# Altium PCB Temp_meter_16CH.PcbDoc (part 4 of 4) (continued)
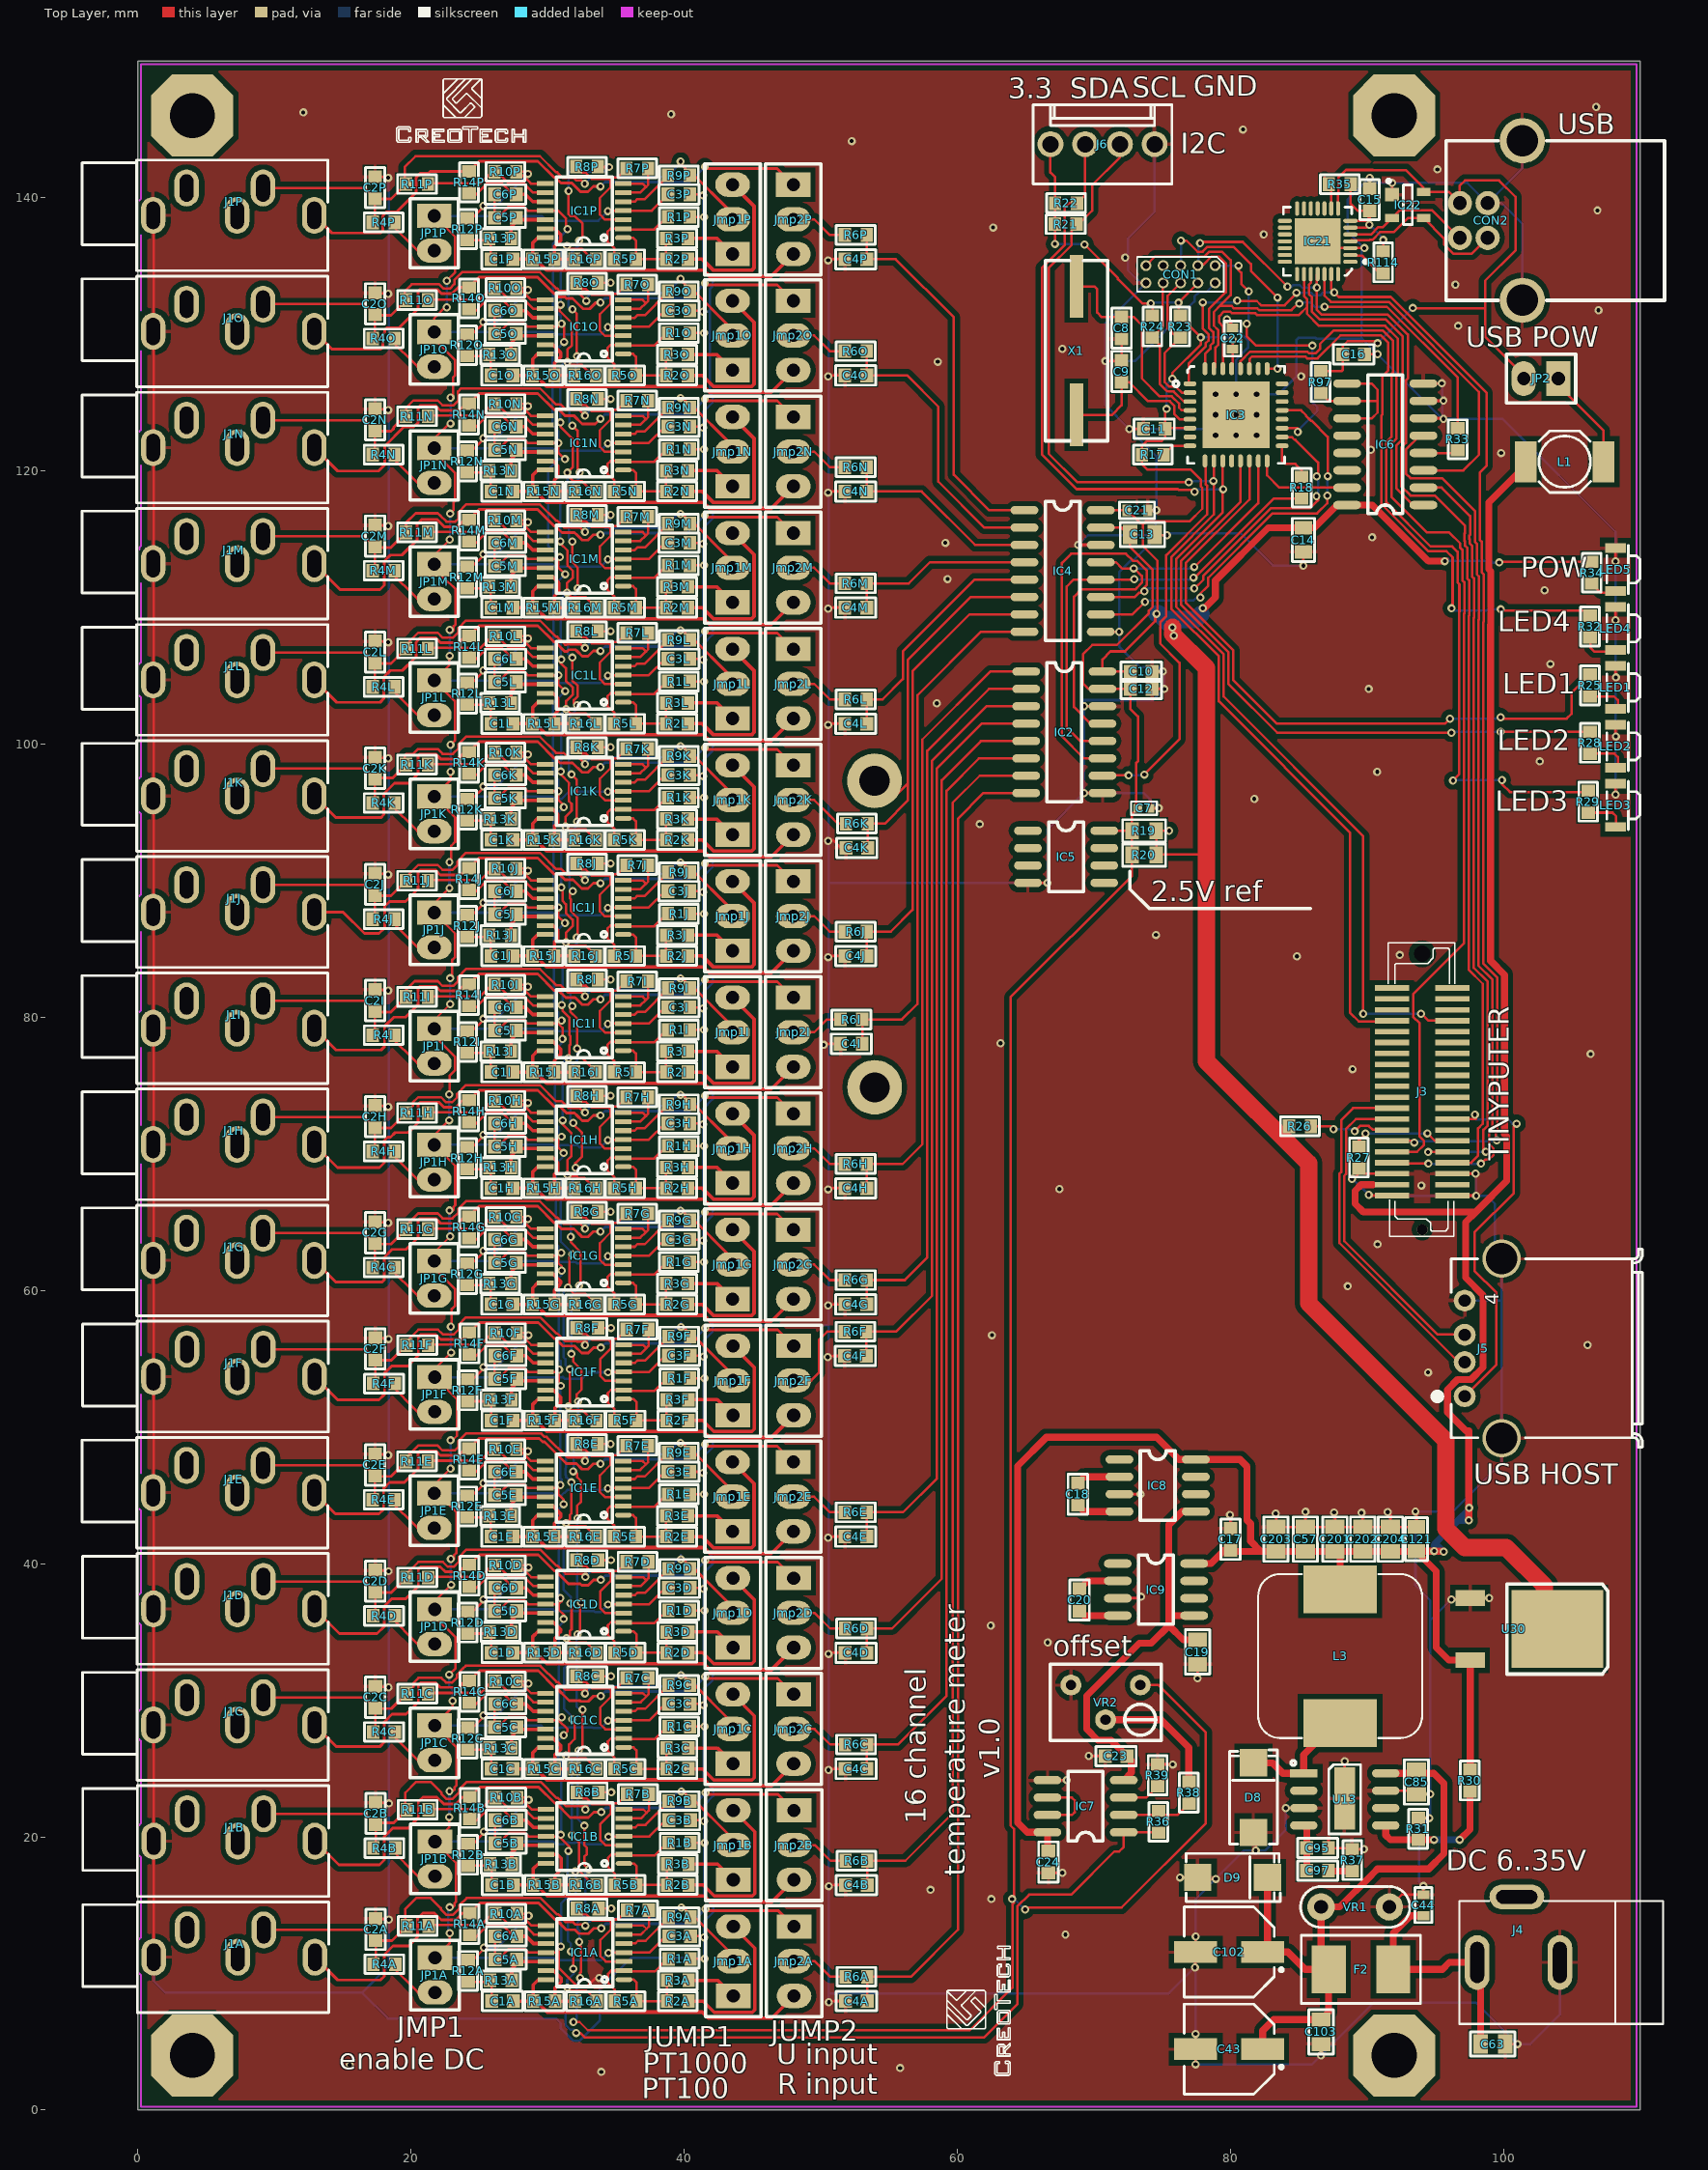
[diagram p0: Top Layer view]
## Nets (pads, with @x,y where several pads share a name; then routed paths per layer and width w, separated by ;. In a path a pad name is that pad's centre, name@x,y a point inside that pad or via, vN(x,y) a via of type N, cw(c..) or ccw(c..) an arc to the next point about the centre after c; other vN are vias at no path point) (continued)
  Top Layer w0.178: Jmp2A.2@48.05,10.899 49.578,10.899 50.721,9.756 R6A.2@51.822,9.756
NetJmp2B_2: Jmp2B.2 R6B.2 | length 4.2
  Top Layer w0.178: Jmp2B.2@48.05,19.399 49.578,19.399 50.721,18.256 R6B.2@51.822,18.256
NetJmp2C_2: Jmp2C.2 R6C.2 | length 4.2
  Top Layer w0.178: Jmp2C.2@48.025,27.899 49.553,27.899 50.696,26.756 R6C.2@51.797,26.756
NetJmp2D_2: Jmp2D.2 R6D.2 | length 4.2
  Top Layer w0.178: Jmp2D.2@48.025,36.399 49.553,36.399 50.696,35.256 R6D.2@51.797,35.256
NetJmp2E_2: Jmp2E.2 R6E.2 | length 4.2
  Top Layer w0.178: Jmp2E.2@48,44.899 49.528,44.899 50.671,43.756 R6E.2@51.772,43.756
NetJmp2F_2: Jmp2F.2 R6F.2 | length 7.7
  Top Layer w0.178: Jmp2F.2@48.025,53.399 49.3,53.399 49.875,53.974 49.875,56.375 50.481,56.981 R6F.2@51.747,56.981 50.646,56.981
NetJmp2G_2: Jmp2G.2 R6G.2 | length 4.2
  Top Layer w0.178: Jmp2G.2@48,61.899 49.528,61.899 50.671,60.756 R6G.2@51.772,60.756
NetJmp2H_2: Jmp2H.2 R6H.2 | length 4.2
  Top Layer w0.178: Jmp2H.2@48,70.399 49.528,70.399 50.671,69.256 R6H.2@51.772,69.256
NetJmp2I_2: Jmp2I.2 R6I.2 | length 3.8
  Top Layer w0.178: Jmp2I.2@48,78.899 49.528,78.899 50.46,79.831 R6I.2@51.447,79.831
NetJmp2J_2: Jmp2J.2 R6J.2 | length 4.2
  Top Layer w0.178: Jmp2J.2@48,87.399 49.528,87.399 50.671,86.256 R6J.2@51.772,86.256
NetJmp2K_2: Jmp2K.2 R6K.2 | length 4.6
  Top Layer w0.178: Jmp2K.2@48,95.899 49.528,95.899 50.671,94.756 51.259,94.168 R6K.2@51.854,94.168
NetJmp2L_2: Jmp2L.2 R6L.2 | length 4.2
  Top Layer w0.178: Jmp2L.2@48,104.399 49.528,104.399 50.671,103.256 R6L.2@51.772,103.256
NetJmp2M_2: Jmp2M.2 R6M.2 | length 4.2
  Top Layer w0.178: Jmp2M.2@48,112.899 49.528,112.899 50.671,111.756 R6M.2@51.772,111.756
NetJmp2N_2: Jmp2N.2 R6N.2 | length 4.2
  Top Layer w0.178: Jmp2N.2@48,121.399 49.528,121.399 50.671,120.256 R6N.2@51.772,120.256
NetJmp2O_2: Jmp2O.2 R6O.2 | length 4.2
  Top Layer w0.178: Jmp2O.2@48,129.899 49.528,129.899 50.671,128.756 R6O.2@51.772,128.756
NetJmp2P_2: Jmp2P.2 R6P.2 | length 4.2
  Top Layer w0.178: Jmp2P.2@48,138.399 49.528,138.399 50.671,137.256 R6P.2@51.772,137.256
NetJP1A_2: JP1A.2 R4A.1 | length 4.1
  Top Layer w0.178: R4A.1@18.497,10.645 20.529,8.613 JP1A.2@21.761,8.613
NetJP1B_2: JP1B.2 R4B.1 | length 4.1
  Top Layer w0.178: R4B.1@18.497,19.145 20.529,17.113 JP1B.2@21.761,17.113
NetJP1C_2: JP1C.2 R4C.1 | length 4.1
  Top Layer w0.178: R4C.1@18.472,27.645 20.504,25.613 JP1C.2@21.736,25.613
NetJP1D_2: JP1D.2 R4D.1 | length 4.1
  Top Layer w0.178: R4D.1@18.472,36.145 20.504,34.113 JP1D.2@21.736,34.113
NetJP1E_2: JP1E.2 R4E.1 | length 4.1
  Top Layer w0.178: R4E.1@18.447,44.645 20.479,42.613 JP1E.2@21.711,42.613
NetJP1F_2: JP1F.2 R4F.1 | length 4.1
  Top Layer w0.178: R4F.1@18.472,53.145 20.504,51.113 JP1F.2@21.736,51.113
NetJP1G_2: JP1G.2 R4G.1 | length 4.1
  Top Layer w0.178: R4G.1@18.447,61.645 20.479,59.613 JP1G.2@21.711,59.613
NetJP1H_2: JP1H.2 R4H.1 | length 4.1
  Top Layer w0.178: R4H.1@18.447,70.145 20.479,68.113 JP1H.2@21.711,68.113
NetJP1I_2: JP1I.2 R4I.1 | length 4.1
  Top Layer w0.178: R4I.1@18.447,78.645 20.479,76.613 JP1I.2@21.711,76.613
NetJP1J_2: JP1J.2 R4J.1 | length 4.1
  Top Layer w0.178: R4J.1@18.447,87.145 20.479,85.113 JP1J.2@21.711,85.113
NetJP1K_2: JP1K.2 R4K.1 | length 4.1
  Top Layer w0.178: R4K.1@18.447,95.645 20.479,93.613 JP1K.2@21.711,93.613
NetJP1L_2: JP1L.2 R4L.1 | length 4.1
  Top Layer w0.178: R4L.1@18.447,104.145 20.479,102.113 JP1L.2@21.711,102.113
NetJP1M_2: JP1M.2 R4M.1 | length 4.1
  Top Layer w0.178: R4M.1@18.447,112.645 20.479,110.613 JP1M.2@21.711,110.613
NetJP1N_2: JP1N.2 R4N.1 | length 4.1
  Top Layer w0.178: R4N.1@18.447,121.145 20.479,119.113 JP1N.2@21.711,119.113
NetJP1O_2: JP1O.2 R4O.1 | length 4.1
  Top Layer w0.178: R4O.1@18.447,129.645 20.479,127.613 JP1O.2@21.711,127.613
NetJP1P_2: JP1P.2 R4P.1 | length 4.1
  Top Layer w0.178: R4P.1@18.447,138.145 20.479,136.113 JP1P.2@21.711,136.113
NetJP2_1: JP2.1 L1.2 | length 7.5
  Top Layer w0.178: JP2.1@104.013,126.746 104.013,126.237 107.327,122.923 L1.2@107.327,120.662
NetLED1_A: LED1.A R25.2 | length 2.8
  Top Layer w0.178: R25.2@106.326,103.479 108.096,103.479 108.362,103.213 LED1.A@108.362,102.577
NetLED2_A: LED2.A R28.2 | length 2.8
  Top Layer w0.178: R28.2@106.326,99.288 108.112,99.288 108.362,99.038 LED2.A@108.362,98.386
NetLED3_A: LED3.A R29.2 | length 2.8
  Top Layer w0.178: R29.2@106.199,94.97 107.98,94.97 108.235,94.715 LED3.A@108.235,94.068
NetLED4_A: LED4.A R32.2 | length 2.8
  Top Layer w0.178: R32.2@106.326,107.797 106.35,107.773 106.35,107.05 106.632,106.768 LED4.A@108.235,106.768
NetLED5_A: LED5.A R34.2 | length 2.1
  Top Layer w0.178: R34.2@106.453,111.734 107.101,111.086 LED5.A@108.235,111.086
NetR30_2: R30.2 R31.1 U13.5 | length 10.1
  Top Layer w0.508: U13.5@91.371,20.84 91.371,20.129 91.714,19.786 R31.1@93.753,19.786 v1(94.911,19.786) ; v1(96.789,19.786) 97.536,20.533 R30.2@97.536,23.33
  Bottom Layer w0.508: v1(94.911,19.786) v1(96.789,19.786)
NetR38_2: R38.2 VR2.2 | length 9.4
  Top Layer w0.508: VR2.2@70.866,28.575 74.925,28.575 76.962,26.538 R38.2@76.962,24.041
OFFSETA: IC7.1 R16A.1 R16B.1 R16C.1 R16D.1 R16E.1 R16F.1 R16G.1 R16H.1 R16I.1 R16J.1 R16K.1 R16L.1 R16M.1 R16N.1 R16O.1 R16P.1 R36.1 | length 227.1
  Top Layer w0.178: v1@30.9,132.1 30.9,131.684 31.792,130.793 31.792,129.19 31.452,128.85 v1(31.452,127.956) ; v1@30.933,105.965 31.357,105.542 31.357,104.62 31.867,104.11 31.867,103.64 31.375,103.149 v1(31.375,102.55) 31.68,102.245 32.793,102.245 R16L.1@33.56,101.478 ; v1@30.958,114.662 31.467,114.154 31.467,113.06 31.867,112.66 31.867,112.19 31.425,111.749 v1(31.425,111.075) 31.755,110.745 32.793,110.745 R16M.1@33.56,109.978 ; 30.958,123.215 31.842,122.332 31.842,120.246 v1(31.452,119.856) ; v1@30.977,97.747 31.575,97.149 31.575,95.808 31.768,95.614 31.768,95.118 31.315,94.665 v1(31.315,93.956) ; 31.1,89.199 31.1,88.526 31.357,88.269 31.357,87.62 31.842,87.135 31.842,86.665 31.352,86.175 v1(31.352,85.479) ; v1@31.108,72.165 31.743,71.53 31.743,69.819 31.469,69.545 v1(31.469,68.456) ; v1@31.108,80.842 31.108,80.474 31.625,79.957 31.625,78.682 ; v1(31.377,42.977) 31.635,43.235 31.635,43.562 31.75,43.677 v1(31.75,45.95) ; v1@31.45,34.5 31.705,34.245 32.818,34.245 R16D.1@33.585,33.478 ; v1@31.452,119.668 31.874,119.245 32.52,119.245 33.287,118.478 R16N.1@33.56,118.478 ; v1(31.5,60.2) 31.95,59.75 32.788,59.75 R16G.1@33.56,58.978 ; v1@31.5,68.325 32.175,68.325 32.255,68.245 32.676,68.245 33.443,67.478 R16H.1@33.56,67.478 ; v1@31.526,93.745 32.793,93.745 R16K.1@33.56,92.978 ; v1(31.55,77) 32.538,77 R16I.1@33.56,75.978 ; v1@31.583,25.745 32.818,25.745 R16C.1@33.585,24.978 ; 31.585,26.169 31.585,26.761 32,27.176 32,28.25 v1@31.735,28.515 ; 31.586,85.245 32.793,85.245 R16J.1@33.56,84.478 ; v1@31.608,77.058 31.608,77.935 ; 31.609,42.745 32.793,42.745 R16E.1@33.56,41.978 ; v1@31.618,60.318 v1@31.618,62.447 ; v1@31.635,34.685 31.635,35.061 31.768,35.195 v1@31.768,37.057 ; v1@31.638,136.245 32.52,136.245 33.287,135.478 R16P.1@33.56,135.478 ; v1@31.64,51.385 31.78,51.245 32.545,51.245 33.312,50.478 R16F.1@33.585,50.478 ; v1@31.65,51.5 v1(31.65,54.225) ; v1@31.663,127.745 32.52,127.745 33.287,126.978 R16O.1@33.56,126.978 ; 31.668,77.995 31.668,78.639 ; 31.68,8.745 32.855,8.745 33.61,7.99 R16A.1@33.61,7.978 ; v1(31.775,20.125) 32.325,19.575 32.325,17.75 v1(32.05,17.475) ; v1(31.9,10.35) v1@31.9,11.45 ; v1(32.102,5.65) 32.4,5.65 32.725,5.325 61.975,5.325 64.403,7.753 64.403,14.912 65.265,15.775 68.35,15.775 71.5,18.925 71.85,18.925 72.196,19.271 IC7.1@72.196,20.338 74.698,20.338 R36.1@74.736,20.3 ; 32.376,17.475 33.373,16.478 R16B.1@33.61,16.478
  Bottom Layer w0.178: v1(30.952,114.831) 30.952,118.7 31.452,119.2 v1(31.452,119.856) ; v1(30.952,123.531) 30.952,127.627 v1@31.281,127.956 ; v1(30.958,132.15) 30.958,135.983 v1@31.427,136.452 ; v1@30.96,106.24 30.96,110.61 v1(31.425,111.075) ; v1@31,97.98 31,102.175 v1(31.375,102.55) ; v1(31.025,89.5) 31.025,93.666 v1(31.315,93.956) ; v1(31.108,72.45) 31.108,76.633 v1@31.475,77 ; v1@31.11,80.96 31.11,85.16 v1@31.352,85.402 ; v1@31.175,42.977 31.175,38.1 31.7,37.575 v1@31.7,37.125 ; 31.183,55.585 31.183,55.115 31.325,54.974 31.325,54.55 v1(31.65,54.225) ; 31.185,55.586 31.185,59.885 v1(31.5,60.2) ; 31.31,46.987 31.31,46.518 31.375,46.452 31.375,46.325 v1(31.75,45.95) ; v1@31.325,34.475 31.325,32.45 31.225,32.35 31.225,29.375 v1@31.829,28.771 ; 31.36,47.037 v1@31.36,51.315 ; v1(31.469,68.456) 30.975,67.962 30.975,63.581 v1@31.804,62.752 ; v1@31.583,25.79 31.775,25.599 v1(31.775,20.125) ; v1(31.725,11.625) 31.725,12.175 31.5,12.4 31.5,15.125 32.075,15.7 v1@32.075,17.35 ; v1(31.9,10.35) 31.925,10.325 31.925,10 31.45,9.525 v1(31.45,8.975) 31.335,8.86 31.335,6.216 31.667,5.884 31.966,5.884 32.102,5.748 v1(32.102,5.65)
  other v1: 31.372,25.956 31.829,28.608 31.402,34.552 31.672,37.098 31.525,51.5 31.804,62.633 31.05,80.9 30.977,97.98 31.025,106.175 31.427,136.457
PROG_RXD: CON1.9 IC3.31 R33.1 | length 39.5
  Top Layer w0.178: CON1.9@73.814,135.013 74.48,135.68 78.115,135.68 78.47,136.035 79.391,136.035 80.021,135.405 80.021,132.849 79.278,132.106 ; IC3.31@78.793,127.466 78.917,127.59 78.917,129.01 79.107,129.199 79.107,130.301 78.793,130.615 78.793,131.621 79.278,132.106 ; v1(85.054,132.231) 85.054,132.321 85.05,132.325 84.478,131.753 82.103,131.753 81.972,131.883 80.265,131.883 80.087,132.061 79.323,132.061 79.278,132.106 ; v1(86.904,132.006) 91.447,132.006 96.647,126.807 R33.1@96.647,123.101
  Bottom Layer w0.178: v1(85.054,132.231) 85.054,132.321 85.05,132.325 85.85,132.325 86.175,132 86.181,132.006 v1(86.904,132.006)
PROG_TXD: CON1.3 IC3.32 IC21.25 J3.37 | length 99
  Top Layer w0.178: CON1.3@77.624,135.013 77.708,135.097 78.035,135.097 78.617,135.68 79.17,135.68 79.666,135.184 79.666,133.07 78.437,131.841 78.437,130.452 78.751,130.138 78.751,129.374 78.54,129.163 78.54,128.934 78.143,128.537 IC3.32@78.143,127.466 ; v1(77.779,136.657) 77.869,136.747 80.903,136.747 v1(84.175,133.475) ; IC21.25@86.387,134.391 86.338,134.342 v1(86.338,133.4) 86.338,131.772 86.67,131.44 91.511,131.44 92.986,129.965 92.986,126.749 92.851,126.614 92.851,122.037 92.495,121.681 92.495,118.876 93.186,118.186 94.955,118.186 97.178,115.962 97.178,115.439 97.133,115.394 97.133,114.87 97.181,114.822 97.181,114.514 97.338,114.357 97.338,112.117 97.478,111.978 97.478,109.396 97.453,109.371 97.453,83.471 98.482,82.442 98.482,72.205 98.138,71.862 98.138,69.865 97.615,69.341 J3.37@96.248,69.341
  Bottom Layer w0.178: CON1.3@77.624,135.013 77.675,135.065 v1@77.675,136.553 ; v1(84.175,133.475) 84.25,133.4 84.396,133.4 84.594,133.598 85.064,133.598 85.262,133.4 v1(86.338,133.4)
RESETN: CON1.6 IC3.2 R23.1 | length 10.5
  Top Layer w0.178: 75.4,132.081 75.4,132.79 CON1.6@76.354,133.743 ; 75.417,132.064 75.417,130.412 R23.1@76.073,129.756 ; R23.1@76.327,129.756 75.187,128.616 75.187,126.496 75.525,126.159 76.002,126.159 76.444,125.716 IC3.2@77.043,125.716
RXD: IC6.4 R33.2 | length 2.6
  Top Layer w0.178: IC6.4@94.134,121.297 96.443,121.297 R33.2@96.647,121.501
SCK: IC2.13 IC3.15 IC4.13 | length 34.1
  Top Layer w0.178: IC4.13@70.502,113.306 IC4.13@70.512,113.296 71.629,113.296 72.075,112.85 v1(72.925,112.85) 72.96,112.85 73.52,112.29 73.52,111.799 73.137,111.415 73.137,111.385 73.079,111.328 69.103,111.328 68.55,110.775 68.55,102.707 69.772,101.485 IC2.13@70.639,101.485 ; v1@77.367,112.942 82.043,117.618 IC3.15@82.043,120.716
  Bottom Layer w0.178: v1(72.925,112.85) v1@77.35,112.85
  other v1: 77.354,112.956
SPI_CS_IN: J3.10
SPI_CS_OUT: J3.11
SPI_MISO: J3.29
SPI_MOSI: J3.12
SPI_SCK: J3.13
SWCLK: CON1.1 IC3.19 | length 20.8
  Top Layer w0.178: v1(80.588,135.013) 80.588,134.695 80.792,134.492 80.792,133.683 v1(81.35,133.125) ; v1(81.204,130.754) 81.204,129.821 81.875,129.15 v1(86,129.15) ; IC3.19@83.793,123.116 84.909,123.116 84.929,123.096 v1(84.929,122.831)
  Bottom Layer w0.178: CON1.1@78.894,135.013 v1(80.588,135.013) ; v1(81.204,130.754) 81.35,130.9 v1(81.35,133.125) ; v1(84.929,122.831) 84.929,122.926 86.356,124.353 86.356,124.647 86,125.003 v1(86,129.15)
SWDIO: CON1.5 IC3.25 | length 17.2
  Top Layer w0.178: v1(76.375,136.85) 76.779,136.85 77.594,136.035 77.967,136.035 78.323,136.391 80.234,136.391 81.5,135.125 81.5,134.625 v1(83.45,132.675) ; IC3.25@82.693,127.466 83.441,127.466 v1(83.45,127.475)
  Bottom Layer w0.178: CON1.5@76.354,135.013 76.375,135.035 v1(76.375,136.85) ; v1(83.45,127.475) v1(83.45,132.675)
TEMP_OUT1: C4A.2 IC2.8 R6A.1 | length 96.9
  Top Layer w0.178: C4A.2@53.422,7.978 R6A.1@53.422,9.756 56.606,9.756 60.05,13.2 60.05,94.525 61.93,96.405 IC2.8@65.051,96.405
TEMP_OUT2: C4B.2 IC2.7 R6B.1 | length 89.6
  Top Layer w0.178: C4B.2@53.422,16.478 R6B.1@53.422,18.256 56.206,18.256 59.675,21.725 59.675,95.7 61.65,97.675 IC2.7@65.051,97.675
TEMP_OUT3: C4C.2 IC2.6 R6C.1 | length 82.1
  Top Layer w0.178: C4C.2@53.397,24.978 R6C.1@53.397,26.756 55.656,26.756 59.225,30.325 59.225,96.575 61.595,98.945 IC2.6@65.051,98.945
TEMP_OUT4: C4D.2 IC2.5 R6D.1 | length 74.6
  Top Layer w0.178: C4D.2@53.397,33.478 R6D.1@53.397,35.256 55.231,35.256 58.869,38.894 58.869,97.344 61.74,100.215 IC2.5@65.051,100.215
TEMP_OUT5: C4E.2 IC2.4 R6E.1 | length 67.8
  Top Layer w0.178: C4E.2@53.372,41.978 R6E.1@53.372,43.756 56.031,43.756 58.514,46.239 58.514,98.214 61.785,101.485 IC2.4@65.051,101.485
TEMP_OUT6: C4F.2 IC2.3 R6F.1 | length 55.4
  Top Layer w0.178: C4F.2@53.347,55.203 R6F.1@53.347,56.981 55.531,56.981 58.158,59.608 58.158,98.783 62.13,102.755 IC2.3@65.051,102.755
TEMP_OUT7: C4G.2 IC2.2 R6G.1 | length 53.1
  Top Layer w0.178: C4G.2@53.372,58.978 R6G.1@53.372,60.756 56.156,60.756 57.803,62.403 57.803,99.503 62.325,104.025 IC2.2@65.051,104.025
TEMP_OUT8: C4H.2 IC2.1 R6H.1 | length 45.7
  Top Layer w0.178: C4H.2@53.372,67.478 R6H.1@53.372,69.256 56.006,69.256 57.447,70.697 57.447,98.08 57.447,100.322 62.42,105.295 IC2.1@65.051,105.295
TEMP_OUT9: C4I.2 IC4.8 R6I.1 | length 38.7
  Top Layer w0.178: C4I.2@53.047,78.053 R6I.1@53.047,79.831 55.956,79.831 57.091,80.966 57.091,99.73 57.091,103.566 61.741,108.216 IC4.8@64.924,108.216
TEMP_OUT10: C4J.2 IC4.7 R6J.1 | length 33.2
  Top Layer w0.178: C4J.2@53.372,84.478 R6J.1@53.372,86.256 55.131,86.256 56.736,87.861 56.736,101.905 56.736,105.311 60.911,109.486 IC4.7@64.924,109.486
TEMP_OUT11: C4K.2 IC4.6 pad.1 R6K.1 | length 27.7
  Top Layer w0.178: C4K.2@53.454,92.39 R6K.1@53.454,94.168 54.693,94.168 56.38,95.855 56.38,97.08 ; pad.1@55.275,95.975 56.38,97.08 ; IC4.6@64.924,110.756 61.006,110.756 56.38,106.13 56.38,97.08
TEMP_OUT12: C4L.2 IC4.5 R6L.1 | length 18.1
  Top Layer w0.178: C4L.2@53.372,101.478 R6L.1@53.372,103.256 54.531,103.256 56.025,104.75 56.025,106.775 61.276,112.026 IC4.5@64.924,112.026
TEMP_OUT13: C4M.2 IC4.4 R6M.1 | length 14
  Top Layer w0.178: C4M.2@53.372,109.978 R6M.1@53.372,111.756 56.456,111.756 57.996,113.296 IC4.4@64.924,113.296
TEMP_OUT14: C4N.2 IC4.3 R6N.1 | length 15
  Top Layer w0.178: R6N.1@53.372,120.256 C4N.2@53.372,118.478 57.397,118.478 61.309,114.566 IC4.3@64.924,114.566
TEMP_OUT15: C4O.2 IC4.2 R6O.1 | length 21.2
  Top Layer w0.178: R6O.1@53.372,128.756 C4O.2@53.372,126.978 56.322,126.978 58.625,124.675 58.625,119.2 61.989,115.836 IC4.2@64.924,115.836
TEMP_OUT16: C4P.2 IC4.1 R6P.1 | length 27.7
  Top Layer w0.178: R6P.1@53.372,137.256 C4P.2@53.372,135.478 55.497,135.478 59.75,131.225 59.75,119.7 62.344,117.106 IC4.1@64.924,117.106
TP_RESETN: J3.32
UART_NCTS: IC3.30 IC21.23 J3.5 | length 88.2
  Top Layer w0.178: IC3.30@79.443,127.466 79.462,127.486 79.462,130.572 79.187,130.847 79.187,131.316 79.519,131.648 79.998,131.648 80.118,131.528 81.825,131.528 81.956,131.397 85.021,131.397 85.617,131.993 ; IC21.23@85.387,134.391 85.415,134.363 85.415,132.761 85.621,132.556 85.621,131.997 85.617,131.993 ; J3.5@91.848,70.141 93.666,70.141 94.175,70.65 94.175,70.949 93.858,71.265 93.858,79.549 93.388,80.019 93.388,81.688 97.097,85.397 97.097,109.518 97.122,109.543 97.122,111.83 96.983,111.97 96.983,114.21 96.825,114.367 ; 96.885,114.307 96.825,114.367 ; 85.617,131.993 85.617,131.487 86.494,130.609 91.324,130.609 92.275,129.659 92.275,127.044 92.14,126.908 92.14,122.331 91.784,121.976 91.784,118.091 94.375,115.5 96,115.5 96.825,114.675 96.825,114.367
UART_NDCD: J3.35 R27.1 | length 7.7
  Top Layer w0.178: R27.1@89.408,70.523 89.408,70.983 v1(89.9,71.475) ; v1(94.425,71.5) 94.984,70.941 J3.35@96.248,70.941
  Bottom Layer w0.178: v1(89.9,71.475) 89.925,71.5 v1(94.425,71.5)
UART_NDSR: IC3.1 IC21.27 J3.6 | length 95.7
  Top Layer w0.178: IC3.1@77.043,126.366 76.95,126.459 76.95,127.847 78.184,129.082 78.184,129.31 78.395,129.522 78.395,129.991 77.975,130.412 v1(77.975,132.325) ; v1@80.658,132.417 81.942,132.417 82.25,132.108 83.983,132.108 v1@84.868,132.993 ; 87.387,133.288 IC21.27@87.387,134.391 ; v1@87.611,133.064 87.604,133.071 v1(87.604,133.056) 87.943,132.718 91.742,132.718 98.75,125.71 98.75,120.35 98.259,119.859 98.259,114.946 98.405,114.799 98.405,112.559 98.545,112.419 98.545,108.954 98.52,108.929 98.52,99.564 98.52,83.913 99.549,82.884 99.549,71.764 99.45,71.665 99.45,71.033 v1(99.505,70.978) ; J3.6@91.864,70.925 J3.6@91.848,70.941 93.534,70.941 93.55,70.925 v1@93.455,70.83
  Bottom Layer w0.178: v1(77.975,132.325) v1@80.375,132.325 ; v1@84.83,133.031 85.905,133.031 86.103,132.833 86.572,132.833 86.795,133.056 v1(87.604,133.056) ; v1@93.455,70.83 93.55,70.925 99.451,70.925 v1(99.505,70.978)
  other v1: 93.455,70.828 80.5,132.45 84.83,133.03
UART_NDTR: J3.34
UART_NRI: J3.7 R26.1 | length 6.4
  Top Layer w0.178: R26.1@85.89,72.009 87.341,72.009 v1(87.55,71.8) ; v1(89.1,71.65) 89.492,72.042 90.135,72.042 90.426,71.75 91.839,71.75 J3.7@91.848,71.741
  Bottom Layer w0.178: v1(87.55,71.8) 88.95,71.8 v1(89.1,71.65)
UART_NRTS: IC6.2 J3.36 | length 57.6
  Top Layer w0.178: IC6.2@94.134,118.757 95.468,118.757 97.547,116.678 97.547,115.306 97.488,115.247 97.488,115.018 97.537,114.969 97.537,114.662 97.694,114.504 97.694,112.265 97.834,112.125 97.834,109.248 97.808,109.223 97.808,83.619 98.838,82.59 98.838,72.058 98.528,71.748 98.528,70.331 v1(98.705,70.153) ; v1(94.475,70.125) 94.491,70.141 J3.36@96.248,70.141
  Bottom Layer w0.178: v1(94.475,70.125) 94.5,70.15 98.701,70.15 v1(98.705,70.153)
UART_RTS: IC6.1 IC21.24 | length 24.1
  Top Layer w0.178: IC21.24@85.887,134.391 85.887,133.751 85.771,133.635 85.771,132.908 85.976,132.703 85.976,131.849 ; 85.972,131.845 85.976,131.849 ; IC6.1@94.134,117.487 93.381,117.487 92.14,118.729 92.14,121.828 92.495,122.184 92.495,126.761 92.631,126.896 92.631,129.817 91.364,131.084 86.522,131.084 85.982,131.624 85.982,131.844 85.976,131.849
UART_TX: IC6.5 J3.4 | length 65.3
  Top Layer w0.178: J3.4@91.848,69.341 91.914,69.275 v1(94.5,69.275) ; IC6.5@94.134,122.567 93.884,122.567 92.851,121.534 92.851,119.79 93.186,119.456 95.494,119.456 97.903,117.047 97.903,114.798 98.049,114.652 98.049,112.412 98.189,112.272 98.189,109.101 98.164,109.076 98.164,83.766 99.193,82.737 99.193,71.911 98.938,71.656 98.938,70.722 99.272,70.388 99.272,69.919 98.94,69.587 98.662,69.587 v1(98.355,69.278) ; v1@98.353,69.278 v1(98.355,69.278)
  Bottom Layer w0.178: v1(94.5,69.275) 94.525,69.25 98.326,69.25 v1(98.355,69.278)
UART_TXD: IC6.3 IC21.26 | length 24.9
  Top Layer w0.178: IC21.26@86.887,134.391 86.904,134.374 86.904,132.808 87.35,132.362 91.595,132.362 98.2,125.757 98.2,121.175 97.052,120.027 IC6.3@94.134,120.027
USB_DM: J3.9 J5.2 | length 25.5
  Top Layer w0.178: J3.9@91.848,73.341 88.991,73.341 88.117,72.467 88.117,68.67 87.982,68.535 87.982,63.468 J5.2@96.685,54.765
USB_DP: J3.8 J5.3 | length 23.6
  Top Layer w0.178: J3.8@91.848,72.541 89.19,72.541 88.472,71.824 88.472,68.523 88.338,68.388 88.338,63.615 95.188,56.765 97.143,56.765 J5.3@97.155,56.753
USB_EN: IC6.9 IC6.10 IC6.11 R97.1 | length 10.9
  Top Layer w0.178: R97.1@86.614,125.692 87.199,125.107 IC6.10@88.546,125.107 90.718,125.107 90.775,125.05 ; IC6.11@88.546,123.837 90.362,123.837 90.775,124.25 90.775,125.05 ; IC6.9@88.546,126.377 90.323,126.377 90.775,125.925 90.775,125.05
USB_VCC: J3.33 J5.1 | length 27.7
  Top Layer w0.178: J3.33@96.248,72.541 97.984,72.541 ; J5.1@97.155,52.253 99.475,54.573 99.475,56.178 99.475,59.833 97.875,61.433 97.875,64.25 100.757,67.132 100.757,72.006 v1(100.955,72.204)
  Bottom Layer w0.178: v1(97.905,72.854) 97.905,72.62 98,72.525 100.325,72.525 100.646,72.204
VREF_2.5V: C7.1 C12.1 C13.1 IC2.15 IC4.15 IC5.8 R8A.2 R8B.2 R8C.2 R8D.2 R8E.2 R8F.2 R8G.2 R8H.2 R8I.2 R8J.2 R8K.2 R8L.2 R8M.2 R8N.2 R8O.2 R8P.2 R19.1 R20.1 VR2.1 | length 383.5
  Top Layer w0.178: v1(31.55,140.475) 31.55,138.777 31.697,138.631 32.022,138.631 32.575,138.078 32.575,137.175 v1@32.3,136.9 ; 31.65,88.679 v1@31.65,89.229 ; v1@31.675,80.814 31.675,80.41 32.175,79.91 v1(32.175,77.7) ; v1(31.7,63.925) 31.7,63.539 32.417,62.822 32.417,60.468 v1(32.302,60.353) ; 31.713,88.617 31.713,87.767 32.197,87.282 v1@32.197,85.878 ; v1(31.763,97.763) 32.124,97.401 v1@32.124,94.382 ; v1@31.815,106.318 31.815,104.665 32.222,104.257 32.222,103.493 31.942,103.212 v1@31.942,102.99 ; v1(31.827,114.817) 31.827,113.296 32.222,112.9 v1@32.222,111.397 ; v1(31.827,123.306) 32.197,122.935 v1@32.197,120.028 ; v1(31.834,131.81) 32.147,131.497 v1@32.147,128.428 ; v1@31.853,72.222 32.542,71.533 32.542,69.815 32.05,69.324 v1@32.05,68.978 ; v1@31.875,55.35 31.875,54.801 32.492,54.185 32.492,52.74 32.15,52.399 v1@32.15,51.878 ; v1(31.902,6.45) 32.35,6.45 32.95,5.85 60.925,5.85 64.047,8.972 64.047,15.06 64.15,15.163 ; v1@32.175,43.354 32.175,44.249 32.467,44.54 32.467,46.035 32.175,46.326 32.175,46.6 ; v1@32.325,12.075 32.467,11.933 32.467,10.115 32.4,10.049 v1@32.4,9.677 ; v1@32.4,34.827 v1@32.4,37.1 ; 32.575,26.45 v1(32.575,29.325) ; v1@32.702,20.823 32.702,19.4 32.892,19.21 32.892,18.74 32.702,18.55 32.702,17.951 v1(33.027,17.626) ; R8E.2@33.695,48.756 v1(34.622,48.756) ; R8G.2@33.695,65.756 v1(34.622,65.756) ; R8H.2@33.695,74.256 v1(34.622,74.256) ; R8I.2@33.695,82.756 v1(34.622,82.756) ; R8J.2@33.695,91.256 v1(34.622,91.256) ; R8K.2@33.695,99.756 v1(34.622,99.756) ; R8L.2@33.695,108.256 v1(34.622,108.256) ; R8M.2@33.695,116.756 v1(34.622,116.756) ; R8N.2@33.695,125.256 v1(34.622,125.256) ; R8O.2@33.695,133.756 v1(34.622,133.756) ; R8P.2@33.695,142.256 33.726,142.225 v1(34.5,142.225) ; R8C.2@33.72,31.756 v1(34.647,31.756) ; R8D.2@33.72,40.256 v1(34.647,40.256) ; R8F.2@33.72,57.256 v1(34.647,57.256) ; R8A.2@33.745,14.756 v1(34.672,14.756) ; R8B.2@33.745,23.256 v1(34.672,23.256) ; v1@64.15,15.45 64.15,20.589 63.904,20.834 63.904,81.457 72.796,90.349 R20.1@72.796,91.868 R19.1@72.796,93.646 ; v1@65.117,14.825 72.025,14.825 78.2,21 78.2,27.65 74.735,31.115 VR2.1@73.406,31.115 ; IC4.15@70.512,115.836 72.039,115.836 72.66,115.215 72.66,114.415 73.303,113.772 73.307,113.772 74.317,112.763 74.317,110.043 74.033,109.76 74.033,109.582 71.701,107.25 69.9,107.25 69.2,106.55 69.2,104.45 69.625,104.025 IC2.15@70.639,104.025 C12.1@72.675,104.025 72.675,102.575 73.235,102.015 73.235,98.73 73.117,98.612 73.117,95.415 C7.1@73.235,95.297 72.796,94.858 R19.1@72.796,93.646 ; IC5.8@70.764,93.646 R19.1@72.796,93.646
  Bottom Layer w0.178: v1(31.55,140.475) 31.55,141.875 34.15,141.875 v1(34.5,142.225) ; 31.567,116.008 31.567,115.077 v1(31.827,114.817) ; v1@31.578,97.947 31.578,98.547 31.585,99.82 31.593,101.3 31.593,101.967 v1@32.177,102.55 ; 31.581,133.756 v1(34.622,133.756) ; 31.592,123.541 31.592,125.256 ; 31.625,89.475 31.625,93.464 32.075,93.914 ; 31.649,99.756 v1(34.622,99.756) ; 31.669,91.256 v1(34.622,91.256) ; v1@31.669,131.975 31.525,131.975 31.525,135.725 32.3,136.5 ; v1@31.675,72.4 31.675,76.325 31.783,76.433 ; v1@31.675,80.85 31.675,82.875 ; v1(31.7,63.925) 31.7,67.875 32.068,68.244 v1@32.068,68.713 ; 31.706,65.756 v1(34.622,65.756) ; 31.744,74.256 v1(34.622,74.256) ; v1(31.75,55.35) 31.75,57.15 ; 31.785,76.433 32.175,76.824 v1(32.175,77.7) ; v1(31.82,106.323) 31.5,106.643 31.5,107.875 ; v1@31.925,46.752 31.925,48.85 ; 32.075,93.978 v1@32.177,94.08 ; 32.125,6.674 32.125,9.175 v1@32.402,9.452 ; 32.15,34.5 32.15,31.6 ; v1@32.15,85.828 32.15,85.4 31.675,84.925 31.675,82.875 ; v1(32.175,128.375) 32.175,127.633 31.592,127.05 31.592,125.256 ; 32.2,111.049 31.5,110.349 31.5,107.875 ; 32.202,43.002 32.175,42.976 32.175,37.425 v1(32.45,37.15) ; 32.206,40.256 v1(34.647,40.256) ; v1@32.208,26.258 32.208,21.317 v1(32.7,20.825) ; 32.227,23.256 v1(34.672,23.256) ; v1(32.252,51.878) 32.252,49.177 31.925,48.85 ; v1@32.302,60.2 31.75,59.649 31.75,57.15 ; v1@32.35,29.325 32.15,29.525 32.15,31.6 ; v1@32.363,12.363 32.363,13.111 32.208,13.265 32.208,13.735 32.781,14.308 32.781,14.756 ; v1@32.402,119.823 32.402,119.531 31.525,118.654 31.525,116.05 31.831,116.356 34.581,116.356 ; v1(33.027,17.626) 32.781,17.38 32.781,14.756 ; v1(34.622,48.756) 32.019,48.756 31.925,48.85 ; v1(34.622,82.756) 31.794,82.756 31.675,82.875 ; v1(34.622,108.256) 33.481,108.256 33.1,107.875 31.5,107.875 ; 34.622,116.397 v1(34.622,116.756) ; v1(34.622,125.256) 31.592,125.256 ; v1(34.647,31.756) 32.306,31.756 32.15,31.6 ; v1(34.647,57.256) 31.856,57.256 31.75,57.15 ; v1(34.672,14.756) 32.781,14.756 ; v1@64.197,15.45 v1(64.969,14.678)
  other v1: 32.402,9.675 32.325,12.325 64.025,15.45 32.277,26.326 32.202,34.827 32.202,43.327 31.877,46.752 32.077,68.978 31.886,72.255 31.828,80.814 32.152,85.829 31.852,89.229 32.177,94.33 32.177,102.83 32.227,111.38 32.35,119.875 32.302,136.832
pads on no net: CON1.7 IC3.7 IC3.12 IC3.20 IC3.22 IC3.23 IC3.24 IC3.26 IC5.1 IC5.2 IC5.3 IC5.5 IC5.6 IC5.7 IC6.12 IC6.13 IC6.14 IC8.1 IC8.6 IC8.7 IC9.1 IC9.6 IC9.7 IC21.1 IC21.10 IC21.11 IC21.12 IC21.13 IC21.14 IC21.15 IC21.16 IC21.17 IC21.18 IC21.19 IC21.20 IC21.21 IC21.22 IC21.28 J1A.2 J1A.3 J1B.2 J1B.3 J1C.2 J1C.3 J1D.2 J1D.3 J1E.2 J1E.3 J1F.2 J1F.3 J1G.2 J1G.3 J1H.2 J1H.3 J1I.2 J1I.3 J1J.2 J1J.3 J1K.2 J1K.3 J1L.2 J1L.3 J1M.2 J1M.3 J1N.2 J1N.3 J1O.2 J1O.3 J1P.2 J1P.3 J3.0 J3.39 J4.2 U13.2 U13.6

## Polygon pours and split planes (outlines as drawn)
GND on Bottom Layer "Top Layer-No Net" (solid, remove dead copper, pour order 1000): 0.06,149.592 110.06,149.592 110.06,-0.408 0.06,-0.408 0.06,149.592
GND on Top Layer "Top Layer-No Net" (solid, remove dead copper, pour order 1001): 0.459,149.61 110.459,149.61 110.459,-0.39 110.434,-0.365 0.459,-0.365 0.459,149.61

## Keep-outs
Keep-Out Layer:
  lines w0.152: 0.125,10 0.25,9.875 0.25,0.25 109.75,0.25 109.75,149.75 0.25,149.75 0.25,139.9 0.125,139.775 ; 0.125,12.525 0.25,12.65 0.25,18.5 0.125,18.625 ; 0.125,20.875 0.25,21 0.25,26.875 0.25,27 0.125,27.125 ; 0.125,29.25 0.25,29.375 0.25,35.375 0.25,35.5 0.125,35.625 ; 0.125,37.75 0.25,37.875 0.25,43.875 0.125,44 ; 0.125,80.375 0.25,80.5 0.25,86.25 ; 0.125,88.875 0.25,89 0.25,94.875 0.125,95 ; 0.125,97.5 0.25,97.625 0.25,103.4 0.125,103.525 ; 0.125,105.875 0.25,106 0.25,111.75 ; 0.125,114.25 0.125,114.375 0.25,114.5 0.25,120.375 ; 0.125,122.875 0.25,123 0.25,128.75 ; 0.25,46.625 0.25,52.375 ; 0.25,55.25 0.25,60.75 ; 0.25,63.5 0.25,69.25 ; 0.25,72.1 0.25,77.75 ; 0.25,131.75 0.25,137.25

## Silkscreen, mask and mechanical layers (free items; w line width, h text height)
Top Overlay:
  drawing of 341 lines, arcs and shapes, not listed
  text "GND" at 77.3,147.425 h1.5
  text "SCL" at 72.825,147.35 h1.5
  text "3.3" at 63.725,147.275 h1.5
  text "SDA" at 68.275,147.25 h1.5
  text "USB" at 103.95,144.65 h1.5
  text "I2C" at 76.35,143.225 h1.5
  text "USB POW" at 97.25,129.05 h1.5
  text "POW" at 101.275,112.2 h1.5
  text "LED4" at 99.575,108.25 h1.5
  text "LED1" at 99.925,103.675 h1.5
  text "LED2" at 99.55,99.55 h1.5
  text "LED3" at 99.4,95.1 h1.5
  text "2.5V ref" at 74.2,88.5 h1.5
  text "TINYPUTER" at 100.4,69.5 h1.5 r90
  text "USB HOST" at 97.825,45.825 h1.5
  text "offset" at 67.025,33.225 h1.5
  text "v1.0" at 63.1,24.275 h1.5 r90
  text "16 channel" at 57.7,20.95 h1.5 r90
  text "DC 6..35V" at 95.8,17.55 h1.5
  text "temperature meter" at 60.55,17.125 h1.5 r90
  text "JMP1" at 19,5.35 h1.5
  text "JUMP2" at 46.35,5.075 h1.5
  text "JUMP1" at 37.225,4.65 h1.5
  text "U input" at 46.775,3.375 h1.5
  text "enable DC" at 14.75,3 h1.5
  text "PT1000" at 36.975,2.7 h1.5
  text "R input" at 46.825,1.2 h1.5
  text "PT100" at 36.9,0.875 h1.5
Mechanical 1:
  the board outline again, w0.254

## Text inside footprints (layer, text, board x,y; h text height)
J5: Top Overlay "4" at 99.655,58.926 h1 r90; Mechanical 14 "4" at 99.655,58.926 h1 r90